# Altium PCB SmartPower.PcbDoc (part 2 of 2)
Units mm, origin at the board's own origin, x right, y up, seen from the top; angles counter-clockwise.
Board outline 100 x 62.5 mm, 4 copper layers (Top Layer, Layer 1, Layer 2, Bottom Layer), stack 1.531 mm thick; 116 components, 111 nets, 508 pads, 404 vias.
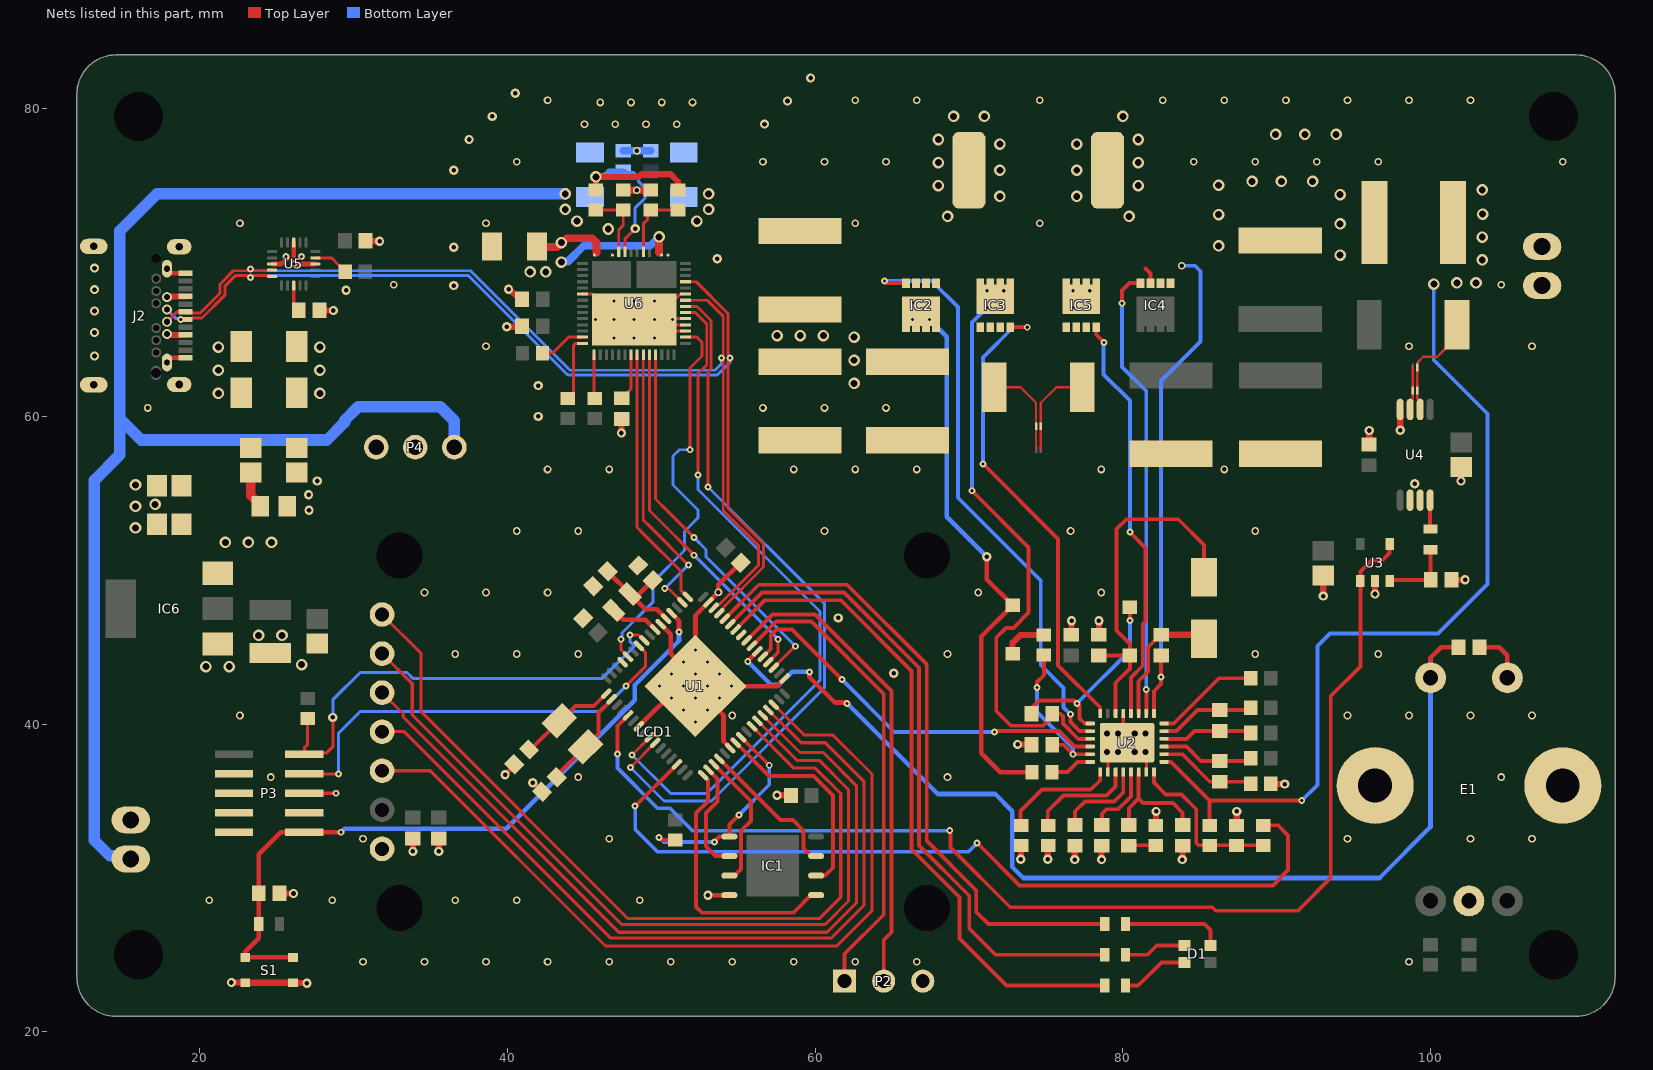
[diagram p4: the nets of this part, all layers, seen from the top]

## Via types
v1: diameter 0.5, hole 0.3, Top Layer to Bottom Layer, tented both sides, 99 vias
v2: diameter 0.75, hole 0.45, Top Layer to Bottom Layer, tented both sides, 90 vias
v3: diameter 0.6, hole 0.3, Top Layer to Bottom Layer, tented both sides, 81 vias
v4: diameter 0.45, hole 0.2, Top Layer to Bottom Layer, tented both sides, 79 vias
v5: diameter 0.5, hole 0.2, Top Layer to Bottom Layer, tented both sides, 55 vias

## Nets (pads, with @x,y where several pads share a name; then routed paths per layer and width w, separated by ;. In a path a pad name is that pad's centre, name@x,y a point inside that pad or via, vN(x,y) a via of type N, cw(c..) or ccw(c..) an arc to the next point about the centre after c; other vN are vias at no path point) (continued)
ENC_SW: C64.1 E1.S1 U1.38 | length 68.7
  Top Layer w0.3: v4(55.612,44.063) 55.612,44.096 U1.38@56.245,44.729 ; v4(59.625,43.39) 59.625,43.047 61.276,41.396 62.013,41.396 v4(62.063,41.345) ; E1.S1@100,43 100,44.306 100.694,45 C64.1@101.825,45
  Bottom Layer w0.3: v4(55.612,44.063) 57.136,42.539 57.646,42.539 58.496,43.39 v4(59.625,43.39) ; v4(62.063,41.345) 67.956,35.453 71.69,35.453 72.808,34.335 72.808,30.703 73.519,29.992 96.684,29.992 100,33.308 E1.S1@100,43
FB: R17.1 R18.2 R19.1 U2.8 | length 10.8
  Top Layer w0.25: U2.8@82.026,36.885 82.026,36.191 82.79,35.427 83.806,35.427 84.771,34.462 84.771,32.262 84.917,32.116 R17.1@85.637,32.116 R18.2@87.387,32.116 R19.1@89.137,32.116
FB_DAC_OUT: R19.2 U1.14 | length 54.3
  Top Layer w0.25: v4(48.297,34.66) U1.14@51.012,37.375 ; v4(70.522,32.252) 70.547,32.252 73.29,29.509 89.749,29.509 90.74,30.5 90.74,32.76 90.084,33.416 R19.2@89.137,33.416
  Bottom Layer w0.25: v4(48.297,34.66) 48.297,33.141 49.744,31.693 69.963,31.693 v4(70.522,32.252)
GND: C1.1 C2.1 C3.1 C4.1 C5.1 C6.2 C7.1 C8.2 C9.1 C11.1 C12.1 C13.1 C14.1 C15.1 C17.2 C18.1 C21.1 C22.1 C23.1 C24.1 C27.1 C28.1 C29.1 C30.1 C31.1 C34.1 C35.1 C36.1 C38.1 C41.1 C42.1 C43.1 C44.1 C45.1 C46.1 C47.1 C55.1 C57.2 C58.1 C59.1 C62.2 C63.1 C64.2 E1.C E1.M E1.S2 IC1.4 IC6.1 J1.2 J2.A1 J2.A12 J2.B1 J2.B12 J2.S J3.2 LCD1.1 NetTie2.1 P2.3 P3.3 P3.5 P3.6 P3.7 P3.8 P3.9 R7.1 R8.1 R9.1 R15.2 R16.1 R18.1 R23.1 R26.1 R28.1 S1.3 S1.4 U1.7 U1.22 U1.33 U1.47 U1.54 U1.65 U2.2 U2.7 U2.19 U2.29 U3.2 U4.4 U4.6 U4.7 U5.8 U5.13 U5.18 U5.21 U6.20 U6.45 U6.46 U6.47 U6.51 U6.59 | length 100.9
  Top Layer w0.15: R16.1@71.65,61.894 73.342,61.894 74.357,60.879 NetTie2.1@74.357,59.404
  Top Layer w0.2: P3.6@26.786,35.5 v4(28.845,35.5) v4@28.95,35.605 ; U6.20@44.874,67.951 45.524,67.951 47.174,66.301 v5(48.224,66.301) ; U6.45@51.574,65.551 48.974,65.551 U6.59@48.574,65.951 ; U6.46@51.574,65.951 U6.59@48.574,65.951 ; U6.47@51.574,66.351 U6.59@49.629,66.351 ; U6.51@51.574,67.951 51.229,67.951 U6.59@49.629,66.351 ; U2.2@79.026,36.885 79.026,37.612 80.199,38.785 U2.29@80.276,38.785 ; U2.19@80.026,40.685 80.026,39.035 U2.29@80.276,38.785 ; U2.7@81.526,36.885 81.526,37.612 80.353,38.785 U2.29@80.276,38.785 ; v5(48.224,66.301) v5(49.544,66.301) 49.579,66.301 U6.59@49.629,66.351 ; v5(48.224,66.301) U6.59@48.574,65.951
  Top Layer w0.3: J2.B1@17.86,63.5 17.86,63.638 18.022,63.8 J2.A12@19.05,63.8 ; J2.B12@17.86,69.6 17.86,69.462 18.022,69.3 J2.A1@19.05,69.3 ; U5.18@24.697,69.906 25.297,69.906 U5.21@25.697,70.306 ; v4(26.097,69.895) 26.108,69.906 U5.8@27.497,69.906 ; 26.097,70.403 U5.13@26.097,71.306 ; v3(39.838,36.697) 40.437,37.296 C1.1@40.437,37.389 ; v3(41.638,36.187) C2.1@42.237,35.589 ; U1.7@48.537,39.85 51.153,42.466 U1.65@52.214,42.466 ; U1.54@49.951,46.497 50.608,45.84 50.608,44.571 U1.65@52.214,42.965 ; v3(53.021,28.874) 54.417,28.874 IC1.4@54.42,28.877 ; 53.377,48.229 53.691,48.544 v1@53.691,48.559 ; 53.379,48.227 U1.47@53.063,47.911 52.214,47.062 U1.65@52.214,42.965 ; v1(53.707,48.559) 53.707,49.052 C6.2@55.149,50.495 ; U1.22@54.477,38.435 54.037,38.875 54.037,40.578 52.214,42.401 U1.65@52.214,42.466 ; U1.33@58.012,42.961 57.514,42.463 55.328,42.463 55.325,42.466 U1.65@52.214,42.466 ; C64.2@103.175,45 104.459,45 105,44.459 E1.S2@105,43 ; U1.65@52.214,42.466 U1.65@52.214,42.965
  Top Layer w0.4: v3(22.045,23.196) S1.3@22.767,23.196 ; S1.3@22.95,23.175 S1.4@26.05,23.175 ; C5.1@25.358,28.979 v3(26.08,28.979) ; S1.4@26.233,23.154 v3(26.955,23.154) ; C46.1@27.955,66.886 v3(28.677,66.886) ; C45.1@30.955,71.386 v3(31.677,71.386) ; v3(33.844,31.721) C63.1@33.844,32.355 ; v3(35.52,31.721) C62.2@35.52,32.355 ; v3(39.94,65.831) 40.656,65.831 40.732,65.907 C58.1@40.755,65.884 ; v3(40.067,68.269) 40.12,68.269 C59.1@40.755,67.634 ; v3(47.398,58.92) C57.2@47.398,59.642 ; v3(57.511,35.372) C8.2@58.234,35.372 ; v3(73.158,38.674) C17.2@73.88,38.674 ; v3(73.366,31.211) 73.366,31.933 73.468,32.035 R8.1@73.387,32.116 ; v3(75.116,31.211) R9.1@75.116,31.933 ; C23.1@76.664,45.988 v3(76.664,46.71) ; v3(76.866,31.186) C18.1@76.866,31.908 ; C21.1@78.442,45.988 v3(78.442,46.71) ; v3(78.616,31.186) C9.1@78.616,31.908 ; R7.1@82.158,33.599 v3(82.158,34.321) ; v3(83.866,31.186) C13.1@83.866,31.908 ; R18.1@87.408,33.599 v3(87.408,34.321) ; R15.2@89.795,36.092 v3(90.517,36.092) ; v3(93.031,48.314) C30.1@93.031,49.456 ; C36.1@96.021,58.358 v3(96.021,59.08) ; v3(96.389,48.453) U3.2@96.389,49.087 ; U4.4@98.004,60.267 98.03,60.242 v3(98.03,59.1) ; C34.1@101.569,49.377 101.574,49.372 v3(102.246,49.372) ; v3(101.979,55.795) C38.1@101.979,56.517
  Top Layer w0.5: R26.1@47.52,74.704 R28.1@49.298,74.704
  Bottom Layer w0.5: C15.1@47.52,77.269 C31.1@49.298,77.269
  other v1: 30.6,24.55 34.6,24.55 38.6,24.55 42.6,24.55 46.6,24.55 50.6,24.55 54.6,24.55 58.6,24.55 62.6,24.55 66.6,24.55 98.6,24.55 20.6,28.55 28.6,28.55 36.6,28.55 40.6,28.55 48.6,28.55 30.6,32.55 46.6,32.55 94.6,32.55 102.6,32.55 106.6,32.55 24.6,36.55 44.6,36.55 68.6,36.55 104.6,36.55 22.6,40.55 54.6,40.55 94.6,40.55 98.6,40.55 102.6,40.55 106.6,40.55 36.6,44.55 40.6,44.55 44.6,44.55 68.6,44.55 88.6,44.55 96.6,44.55 34.6,48.55 38.6,48.55 42.6,48.55 70.6,48.55 78.6,48.55 40.6,52.55 44.6,52.55 60.6,52.55 76.6,52.55 88.6,52.55 42.6,56.55 46.6,56.55 58.6,56.55 62.6,56.55 66.6,56.55 78.6,56.55 86.6,56.55 16.6,60.55 56.6,60.55 60.6,60.55 64.6,60.55 38.6,64.55 98.6,64.55 106.6,64.55 32.6,68.55 104.6,68.55 22.6,72.55 38.6,72.55 62.6,72.55 74.6,72.55 48.4,74.7 40.6,76.55 56.6,76.55 60.6,76.55 64.6,76.55 84.6,76.55 88.6,76.55 92.6,76.55 96.6,76.55 108.6,76.55 48.409,77.269 45,79 47,79 49,79 51,79 46.024,80.411 48.024,80.411 50.024,80.411 52.024,80.411 42.6,80.55 62.6,80.55 66.6,80.55 74.6,80.55 82.6,80.55 86.6,80.55 90.6,80.55 94.6,80.55 98.6,80.55 102.6,80.55
  other v2: 20.382,43.733 21.906,43.733 26.605,43.86 23.811,45.765 25.335,45.765 15.81,52.75 15.81,54.147 17.08,54.274 15.81,55.544 94.118,70.479 86.219,71.089 94.118,72.511 86.219,73.121 94.118,74.416 86.219,75.026 88.403,75.28 90.308,75.28 92.34,75.28 89.927,78.328 91.832,78.328 93.864,78.328
  other v3: 65.1,43.3 61.5,46.9 27.088,53.893 27.062,54.909 98.97,55.62 27.621,55.798 42,60 42,62 13.143,63.926 13.143,65.45 13.143,66.847 29.501,68.193 13.143,68.244 36.5,68.5 13.143,69.641 53.631,70.251 36.5,71 36.5,76 37.5,78 56.7,79 39,79.5 58.2,80.5 40.5,81 59.7,82
  other v4: 25.589,70.403 26.605,70.403
  other v5: 52.214,40.133 51.436,40.91 52.992,40.91 50.658,41.688 52.214,41.688 53.77,41.688 49.881,42.466 51.436,42.466 52.992,42.466 54.547,42.466 50.658,43.244 52.214,43.244 53.77,43.244 51.436,44.022 52.992,44.022 52.214,44.799 46.904,65.101 48.224,65.101 49.544,65.101 45.724,66.301 46.904,66.301 50.724,66.301 46.904,67.501 48.224,67.501 49.544,67.501
HIGH_1: IC2.4 U2.24 | length 38.5
  Top Layer w0.25: v4(64.502,68.803) 64.556,68.803 64.696,68.663 IC2.4@65.905,68.663 ; v4(76.592,40.634) 76.592,40.126 77.183,39.535 U2.24@77.876,39.535
  Bottom Layer w0.25: v4(64.502,68.803) 67.575,68.803 69.277,67.101 69.277,54.706 74.662,49.321 74.662,43.835 76.148,42.349 76.148,41.079 v4(76.592,40.634)
HIGH_2: IC4.4 U2.16 | length 29.6
  Top Layer w0.25: v4(79.945,67.355) 79.945,68.181 80.427,68.663 IC4.4@81.145,68.663 ; v4(81.52,42.234) 81.52,42.057 81.526,42.05 U2.16@81.526,40.685
  Bottom Layer w0.25: v4(79.945,67.355) 79.945,63.215 81.52,61.64 v4(81.52,42.234)
I2C_IRQ: R29.2 U6.29 | length 2.9
  Top Layer w0.2: U6.29@45.624,64.001 45.624,61.195 R29.2@45.669,61.15
I2C_SCL: R30.2 U6.27 | length 3
  Top Layer w0.2: R30.2@42.263,64.113 42.921,64.113 43.959,65.151 U6.27@44.874,65.151
I2C_SDA: R31.2 U6.28 | length 4.3
  Top Layer w0.2: R31.2@43.919,61.15 43.969,61.15 44.294,61.475 44.294,64.621 44.424,64.751 U6.28@44.874,64.751
INA_OUT: R21.2 U4.8 | length 1.9
  Top Layer w0.25: U4.8@99.975,54.55 99.975,52.7 R21.2@100,52.675
ISNS_N: C19.1 R15.1 U2.10 | length 6.4
  Top Layer w0.25: U2.10@82.676,38.035 83.865,38.035 85.649,36.251 C19.1@86.295,36.251 88.174,36.251 R15.1@88.312,36.113
ISNS_P: C19.2 R14.1 U2.11 | length 6.1
  Top Layer w0.25: U2.11@82.676,38.535 84.127,38.535 85.061,37.601 C19.2@86.295,37.601 88.149,37.601 R14.1@88.312,37.764
LCD_BLK: LCD1.7 U1.26 | length 55.1
  Top Layer w0.2: LCD1.7@31.839,47.12 34.38,44.58 34.38,40.802 47.831,27.35 60.26,27.35 61.657,28.747 61.657,35.478 60.006,37.129 58.612,37.129 U1.26@55.891,39.85
LCD_DC: LCD1.6 U1.27 | length 54.5
  Top Layer w0.2: LCD1.6@31.839,44.58 33.8,42.619 33.8,40.581 47.412,26.969 60.641,26.969 62.165,28.493 62.165,35.732 60.26,37.637 58.811,37.637 U1.27@56.245,40.203
LCD_RST: LCD1.5 U1.28 | length 53.8
  Top Layer w0.2: LCD1.5@31.839,42.04 33.2,40.679 33.2,40.481 47.22,26.461 60.768,26.461 62.673,28.366 62.673,35.986 60.514,38.145 59.01,38.145 U1.28@56.598,40.557
LCD_SPICLK: LCD1.3 U1.30 | length 54.7
  Top Layer w0.2: LCD1.3@31.839,36.96 34.978,36.96 46.366,25.572 61.403,25.572 63.689,27.858 63.689,36.748 61.149,39.288 59.281,39.288 U1.30@57.305,41.264
LCD_SPIMOSI: LCD1.4 U1.29 | length 54
  Top Layer w0.2: LCD1.4@31.839,39.5 33.281,39.5 46.701,26.08 61.022,26.08 63.181,28.239 63.181,36.24 60.641,38.78 59.082,38.78 U1.29@56.952,40.91
LDO_+3V3: C15.2 R25.2 R27.1 U6.9 | length 15.6
  Top Layer w0.2: U6.9@47.624,70.701 47.624,71.534 v3(48.297,72.206)
  Top Layer w0.4: R25.2@45.782,74.744 R25.2@45.742,74.704 v2(45.742,75.57) 48.536,75.57 48.703,75.737 50.608,75.737 51.076,75.269 R27.1@51.076,74.704
  Bottom Layer w0.2: C15.2@47.611,75.991 47.738,75.864 48.17,75.864 48.5,75.534 48.5,75.28 48.932,74.848 48.932,74.188 48.297,73.553 v3(48.297,72.206)
  Bottom Layer w0.4: v2@45.782,75.61 46.29,75.61 46.599,75.919 C15.2@47.52,75.919
LOW_1: IC3.4 U2.22 | length 31.2
  Top Layer w0.25: v4(70.903,56.916) 75.779,52.039 75.779,43.809 78.526,41.063 U2.22@78.526,40.685 ; IC3.4@72.681,65.793 v4(73.782,65.793) v4@73.846,65.856
  Bottom Layer w0.25: v4(70.903,56.916) 70.903,63.824 72.871,65.793 v4(73.782,65.793)
LOW_2: IC5.4 U2.18 | length 26.8
  Top Layer w0.25: IC5.4@78.269,65.793 78.269,65.323 v4(78.777,64.815) ; v4(80.453,52.471) 81.469,51.455 81.469,46.679 81.291,46.502 81.291,43.784 80.526,43.019 U2.18@80.526,40.685
  Bottom Layer w0.25: v4(78.777,64.815) 78.751,64.79 78.751,62.732 80.453,61.03 v4(80.453,52.471)
NetC1_2: C1.2 U1.1 Y1.2 | length 6.5
  Top Layer w0.25: C1.2@41.391,38.343 41.494,38.343 Y1.2@43.365,40.215 43.614,40.463 43.614,40.466 43.714,40.466 44.414,41.166 45.597,41.166 46.402,41.971 U1.1@46.416,41.971
NetC2_2: C2.2 U1.2 Y1.1 | length 6.6
  Top Layer w0.25: C2.2@43.191,36.543 43.191,36.646 Y1.1@45.063,38.517 45.914,39.369 45.914,40.749 46.769,41.604 U1.2@46.769,41.617
NetC3_2: C3.2 C4.2 L1.1 U1.53 | length 6.9
  Top Layer w0.3: C3.2@46.513,49.925 46.513,49.904 L1.1@47.963,48.454 L1.1@48.073,48.344 ; C4.2@49.434,49.352 48.427,48.344 L1.1@48.073,48.344 ; U1.53@50.305,46.85 49.694,47.46 48.957,47.46 L1.1@48.073,48.344
NetC9_2: C9.2 U2.5 | length 4.7
  Top Layer w0.25: C9.2@78.637,33.441 78.637,34.17 78.929,34.462 79.691,34.462 80.526,35.297 U2.5@80.526,36.885
NetC10_1: C10.1 R7.2 | length 1.8
  Top Layer w0.25: C10.1@80.387,32.091 80.412,32.116 R7.2@82.137,32.116
NetC10_2: C10.2 C13.2 U2.6 | length 7.7
  Top Layer w0.25: C10.2@80.387,33.441 80.387,34.523 81.026,35.162 ; U2.6@81.026,36.885 81.026,35.162 ; C13.2@83.887,33.441 83.887,34.228 83.247,34.868 81.32,34.868 81.026,35.162
NetC18_2: C18.2 U2.4 | length 5.9
  Top Layer w0.25: C18.2@76.887,33.441 76.887,34.325 77.532,34.97 79.437,34.97 80.026,35.559 U2.4@80.026,36.885
NetC20_1: C20.1 R13.2 U2.12 | length 5.9
  Top Layer w0.25: U2.12@82.676,39.035 84.137,39.035 84.655,39.553 C20.1@86.295,39.553 88.174,39.553 R13.2@88.312,39.415
NetC20_2: C20.2 R12.2 U2.13 | length 6.3
  Top Layer w0.25: U2.13@82.676,39.535 83.494,39.535 84.862,40.903 C20.2@86.295,40.903 88.149,40.903 R12.2@88.312,41.066
NetC25_2: C25.2 D3.2 U2.23 | length 13.3
  Top Layer w0.25: C25.2@74.063,40.502 74.103,40.542 74.103,41.066 74.56,41.523 76.821,41.523 v4(77.005,41.339) 77.189,41.155 77.189,40.368 77.522,40.035 U2.23@77.876,40.035 ; v4(80.453,46.73) D3.2@80.453,47.594
  Bottom Layer w0.25: v4(77.005,41.339) 80.453,44.787 v4(80.453,46.73)
NetC26_2: C26.2 D4.2 U2.17 | length 8.7
  Top Layer w0.25: U2.17@81.026,40.685 81.026,42.782 81.647,43.403 81.647,45.017 82.435,45.805 C26.2@82.485,45.805
  Top Layer w0.4: C26.2@82.485,45.805 85.017,45.805 D4.2@85.279,45.543
NetC34_2: C34.2 R21.1 U3.3 | length 4.7
  Top Layer w0.25: U3.3@97.339,49.3 97.411,49.372 C34.2@100.011,49.372 100,49.383 R21.1@100,51.325
NetC41_2: C41.2 C42.2 IC6.3 P4.2
  other v2: 21.651,51.81 23.151,51.81 24.651,51.81
NetC46_2: C46.2 U5.3 | length 1.7
  Top Layer w0.2: U5.3@26.097,68.506 26.097,67.231 C46.2@26.422,66.906
NetC48_2: C48.2 R23.2 | length 2.5
  Top Layer w0.6: C48.2@23.3,56.35 23.3,54.846 23.446,54.7 23.475,54.7 23.925,54.25 R23.2@23.925,54.15
NetC57_1: C57.1 U6.35 | length 3.1
  Top Layer w0.2: C57.1@47.419,61.175 47.469,61.175 47.819,61.525 47.819,61.575 48.024,61.78 U6.35@48.024,64.001
NetD1_1: D1.1 R3.1 | length 4.1
  Top Layer w0.25: R3.1@80.175,25 81.6,25 82.2,25.6 D1.1@84,25.6
NetD1_2: D1.2 R5.1 | length 6.7
  Top Layer w0.25: R5.1@80.175,27 85.3,27 85.7,26.6 D1.2@85.7,25.6
NetD1_4: D1.4 R4.1 | length 4.4
  Top Layer w0.25: R4.1@80.175,23 81,23 82.5,24.5 D1.4@84,24.5
NetD2_2: D2.2 R10.2 | length 2.9
  Top Layer w0.4: D2.2@72.833,44.571 72.833,45.282 73.331,45.78 R10.2@74.865,45.78
NetFB1_2: FB1.2 FB2.2 J2.A4 J2.A9 J2.B4 J2.B9 | length 2.4
  Top Layer w0.3: J2.B4@17.86,65.35 J2.B4@17.91,65.3 ; J2.B9@17.86,67.75 J2.B9@17.91,67.8
  Top Layer w0.4: J2.B4@17.91,65.3 J2.A9@19.05,65.3 ; J2.B9@17.91,67.8 J2.A4@19.05,67.8
  other v2: 21.2,61.5 21.2,63 21.2,64.5
NetIC3_1: IC3.1 IC3.2 IC3.3 IC5.1 IC5.2 IC5.3 NetTie1.1 R16.2 | length 4.6
  Top Layer w0.15: NetTie1.1@74.662,59.404 74.662,60.88 75.676,61.894 R16.2@77.35,61.894
NetL1_2: L1.2 U1.55 | length 3.2
  Top Layer w0.3: L1.2@46.903,47.394 47.516,46.781 48.96,46.781 U1.55@49.598,46.143
NetR8_2: R8.2 U2.1 | length 7.6
  Top Layer w0.25: R8.2@73.341,33.319 73.341,34.335 74.738,35.732 77.913,35.732 78.526,36.345 U2.1@78.526,36.885
NetR9_2: R9.2 U2.3 | length 6.9
  Top Layer w0.25: R9.2@75.119,33.446 75.119,34.335 76.135,35.351 78.929,35.351 79.526,35.948 U2.3@79.526,36.885
NetR11_2: R11.2 U2.28 | length 2.8
  Top Layer w0.25: R11.2@75.388,36.875 76.389,36.875 77.049,37.535 U2.28@77.876,37.535
NetR25_1: R25.1 R26.2 U6.10 | length 4.6
  Top Layer w0.19: R25.1@45.742,73.404 R26.2@47.52,73.404 47.52,72.42 47.224,72.124 U6.10@47.224,70.701
NetR27_2: R27.2 R28.2 U6.6 | length 4.7
  Top Layer w0.19: U6.6@48.824,70.701 48.824,72.524 49.105,72.805 49.105,73.211 R28.2@49.298,73.404 R27.2@51.076,73.404
OUT_CURR: U1.5 U3.1 U3.4 | length 79.1
  Top Layer w0.25: v4(47.154,38.043) 47.154,39.88 U1.5@47.83,40.557 ; v4(68.744,33.065) 68.782,33.027 68.782,32.885 68.794,32.873 68.794,31.973 72.681,28.087 85.812,28.087 86.041,27.858 91.375,27.858 93.509,29.992 93.509,41.803 95.439,43.733 U3.1@95.439,49.3 95.439,49.905 96.199,50.665 96.222,50.642 96.861,50.642 97.339,51.119 U3.4@97.339,51.7
  Bottom Layer w0.25: v4(47.154,38.043) 47.154,37.129 49.757,34.526 50.57,34.526 52.03,33.065 v4(68.744,33.065)
PA20: U1.41
PA21: R4.2 U1.42 | length 43.5
  Top Layer w0.25: U1.42@54.83,46.143 56.738,48.051 61.657,48.051 66.254,43.454 66.254,31.858 69.379,28.734 69.379,26.055 72.433,23 R4.2@78.825,23
PA22: R3.2 U1.43 | length 43
  Top Layer w0.25: U1.43@54.477,46.497 56.531,48.551 61.864,48.551 66.754,43.661 66.754,32.095 70.014,28.836 70.014,26.715 71.729,25 R3.2@78.825,25
PA23: R5.2 U1.44 | length 42.3
  Top Layer w0.25: U1.44@54.123,46.85 56.324,49.051 62.071,49.051 67.254,43.868 67.254,32.395 70.471,29.179 70.471,27.782 71.253,27 R5.2@78.825,27
PB0: U1.61
PD_RESET: U1.60 U6.44 | length 25.8
  Top Layer w0.19: v4(47.382,45.511) 47.382,44.823 U1.60@47.83,44.375 ; U6.44@51.574,65.151 52.304,65.151 52.64,64.815 52.64,63.926 51.853,63.139 v4(51.853,57.83)
  Bottom Layer w0.19: v4(47.382,45.511) 47.433,45.562 47.433,45.917 49.465,47.949 49.465,49.245 51.497,51.277 51.497,52.521 52.386,53.41 52.386,53.918 50.76,55.544 50.76,57.424 51.167,57.83 v4(51.853,57.83)
PGOOD: R20.2 U2.14 | length 6.9
  Top Layer w0.25: U2.14@82.676,40.035 83.308,40.035 86.244,42.971 R20.2@88.312,42.971
PM_EN: U1.37 U2.26 | length 25.7
  Top Layer w0.25: U1.37@56.598,44.375 57.11,44.888 57.11,45.765 57.491,46.146 58.482,46.146 v4(61.733,42.895) ; v4(71.665,39.491) 71.715,39.542 75.856,39.542 76.863,38.535 U2.26@77.876,38.535
  Bottom Layer w0.25: v4(61.733,42.895) 65.137,39.491 v4(71.665,39.491)
PP_EXT1: U1.9 U6.48 | length 46.4
  Top Layer w0.19: v4@48.092,37.865 v4(48.092,37.991) U1.9@49.244,39.143 ; U6.48@51.574,66.751 52.203,66.751 52.945,66.009 52.945,63.342 52.386,62.783 v4(52.386,56.179)
  Bottom Layer w0.19: v4(48.092,37.991) 50.605,35.478 52.945,35.478 60.312,42.845 60.312,47.313 52.386,55.239 v4(52.386,56.179)
PP_EXT2: U1.10 U6.49 | length 48.1
  Top Layer w0.19: v4@47.991,37.077 v4(47.991,37.182) U1.10@49.598,38.789 ; U6.49@51.574,67.151 52.311,67.151 53.224,66.237 53.224,63.113 53.021,62.91 v4(53.021,55.417)
  Bottom Layer w0.19: v4(47.991,37.182) 50.178,34.995 53.25,34.995 60.591,42.337 60.591,47.847 v4(53.021,55.417)
PP_HV_SINK: C11.2 C12.2 C14.2 C28.2 C29.2 D2.1 IC2.5 IC2.6 IC2.7 IC2.8 J3.1 P4.1 R11.1 U6.1-2 U6.11-12 | length 133.6
  Top Layer w0.3: v3(71.157,50.87) 71.157,49.397 D2.1@72.833,47.721 72.808,47.721 72.508,47.421 72.508,47.396 70.801,45.689 70.801,38.094 72.02,36.875 R11.1@74.088,36.875
  Bottom Layer w0.3: v5(67.43,66.288) 68.54,65.178 68.54,53.487 v3(71.157,50.87)
  Bottom Layer w0.75: J3.1@15.5,31.23 15.309,31.421 14.152,31.421 13.143,32.43 13.143,55.849 14.794,57.5 14.794,59.862 ; P4.1@36.54,58 36.54,59.706 35.622,60.624 30.288,60.624 29.399,59.735 29.399,59.608 28.256,58.465 16.191,58.465 14.794,59.862 ; v2(43.75,74.467) 17.207,74.467 14.794,72.054 14.794,59.862
  other v2: 62.525,62.15 62.525,63.65 62.525,65.15 57.525,65.25 59.025,65.25 60.525,65.25 46.544,72.181 44.512,72.689 52.306,72.689 43.75,73.451 53.068,73.451 53.068,74.467
  other v5: 66.33,66.288 66.33,67.388 67.43,67.388
QSPI_CS: IC1.1 R6.1 U1.24 | length 14.3
  Top Layer w0.25: v4(49.846,32.633) 49.9,32.633 50.068,32.466 R6.1@50.887,32.466 ; v4(53.453,32.328) 53.453,32.354 53.786,32.687 IC1.1@54.42,32.687 54.42,33.462 v4(55.04,34.082) ; U1.24@55.184,39.143 v4(57.009,37.318)
  Bottom Layer w0.25: v4(49.846,32.633) 50.151,32.328 v4(53.453,32.328) ; v4(55.04,34.082) 57.009,36.051 v4(57.009,37.318)
QSPI_DATA0: IC1.5 U1.17 | length 17.4
  Top Layer w0.25: U1.17@52.709,36.668 53.021,36.356 53.021,34.97 52.259,34.208 52.259,28.112 52.64,27.731 58.589,27.731 59.735,28.877 IC1.5@60.06,28.877
QSPI_DATA1: IC1.2 U1.18 | length 7.3
  Top Layer w0.25: U1.18@53.063,37.021 53.656,36.428 53.656,34.97 52.894,34.208 52.894,32.049 53.526,31.417 IC1.2@54.42,31.417
QSPI_DATA2: IC1.3 U1.19 | length 9
  Top Layer w0.25: U1.19@53.416,37.375 55.815,34.976 55.815,33.7 55.18,33.065 55.18,30.582 54.745,30.147 IC1.3@54.42,30.147
QSPI_DATA3: IC1.7 U1.20 | length 9.6
  Top Layer w0.25: U1.20@53.77,37.728 57.735,33.764 58.545,33.764 59.244,33.065 59.244,31.922 59.749,31.417 IC1.7@60.06,31.417
QSPI_SCK: IC1.6 U1.23 | length 13.7
  Top Layer w0.25: U1.23@54.83,38.789 57.004,36.616 59.884,36.616 61.149,35.351 61.149,30.652 60.644,30.147 IC1.6@60.06,30.147
RES_N: NetTie3.1 U4.3 | length 1.3
  Top Layer w0.156: U4.3@98.675,60.45 98.675,60.996 98.843,61.163 NetTie3.1@98.843,61.677
RES_P: NetTie4.1 U4.2 | length 1.3
  Top Layer w0.156: NetTie4.1@99.147,61.677 99.147,61.163 99.325,60.986 U4.2@99.325,60.45
RESET: C5.2 P3.10 R1.1 S1.1 S1.2 U1.52 | length 45.8
  Top Layer w0.3: S1.2@26.05,24.825 S1.1@22.95,24.825 22.95,25.194 23.825,26.069 R1.1@23.825,27 C5.2@23.825,29 23.825,31.53 25.255,32.96 P3.10@26.786,32.96 26.789,32.963 v4(29.17,32.963) ; U1.52@50.658,47.204 51.141,46.721 v4(51.141,45.994)
  Bottom Layer w0.3: v4(29.17,32.963) 29.399,33.192 39.915,33.192 48.271,41.549 48.271,42.539 51.141,45.409 v4(51.141,45.994)
RX_D0: P2.2 U1.40 | length 31.3
  Top Layer w0.25: U1.40@55.537,45.436 55.926,45.825 55.93,45.825 57.23,47.125 59.988,47.125 64.959,42.154 64.959,26.461 64.451,25.953 P2.2@64.451,23.286
SPI_CLK: U1.36 U6.38 | length 23.8
  Top Layer w0.19: U6.38@49.224,64.001 49.219,63.996 49.219,53.885 49.841,53.263 v4(52.132,50.972) ; U1.36@56.952,44.022 57.593,44.663 v4(57.593,45.511)
  Bottom Layer w0.19: v4@52.055,51.049 v4(52.132,50.972) v4(57.593,45.511)
SPI_MISO: U1.49 U6.36 | length 17.1
  Top Layer w0.19: U6.36@48.424,64.001 48.424,52.775 48.825,52.374 51.26,49.939 51.26,48.703 51.698,48.264 U1.49@51.719,48.264
SPI_MOSI: U1.50 U6.37 | length 18.6
  Top Layer w0.19: U6.37@48.824,64.001 48.819,63.996 48.819,53.269 49.333,52.755 v4(51.751,50.337) ; v4(50.218,48.813) 50.463,48.813 U1.50@51.365,47.911
  Bottom Layer w0.19: v4(50.218,48.813) 50.223,48.813 51.742,50.333 51.742,50.337 v4(51.751,50.337)
SPI_SS: U1.35 U6.39 | length 24.7
  Top Layer w0.19: U6.39@49.624,64.001 49.619,63.996 49.619,54.628 50.349,53.898 v4(52.132,52.115) ; U1.35@57.305,43.668 58.691,45.054 v4(58.711,45.054)
  Bottom Layer w0.19: v4(52.132,52.115) 52.894,51.353 52.894,50.87 58.634,45.13 v4@58.711,45.13
SW1: C25.1 IC2.1 IC2.2 IC2.3 IC3.5 IC3.6 IC3.7 IC3.8 L2.1 U2.25 | length 37.2
  Top Layer w0.25: v4(70.191,55.163) 73.874,51.48 73.874,47.238 72.884,46.248 72.401,46.248 71.766,45.613 71.766,40.837 72.718,39.885 74.796,39.885 75.088,40.177 75.088,40.335 C25.1@75.413,40.66 75.963,40.66 76.11,40.513 76.11,40.025 77.099,39.035 U2.25@77.876,39.035
  Bottom Layer w0.25: v4(70.191,55.163) 70.191,66.103 v5(71.156,67.068)
  other v2: 68.6,73 72,74.3 68,75 72,76 68,76.5 72,77.7 68,78 69,79.5 71,79.5
  other v5: 72.256,67.068 71.156,68.168 72.256,68.168
SW2: C26.1 IC4.1 IC4.2 IC4.3 IC5.5 IC5.6 IC5.7 IC5.8 L2.2 U2.15 | length 33.9
  Top Layer w0.25: 81.469,69.616 81.795,69.29 IC4.3@81.795,68.663 ; U2.15@82.026,40.685 82.026,42.131 82.485,42.59 v4(82.485,43.047) C26.1@82.485,44.455
  Bottom Layer w0.25: v4(82.485,43.047) 82.485,62.3 85.05,64.866 85.05,69.438 84.695,69.793 v1(83.831,69.793)
  other v2: 80.4,73 77,74.3 81,75 77,76 81,76.5 77,77.7 81,78 80,79.5
  other v5: 76.744,67.068 77.844,67.068 76.744,68.168 77.844,68.168
SWCLK: P3.2 R2.1 U1.57 | length 30.8
  Top Layer w0.2: R2.1@27,40.35 27,38.667 26.786,38.453 P3.2@26.786,38.04 26.854,38.108 28.219,38.108 28.637,38.526 v3(28.637,40.431) ; v4(47.966,45.79) 48.536,45.79 U1.57@48.891,45.436
  Bottom Layer w0.2: v3(28.637,40.431) 28.637,41.574 30.415,43.352 33.463,43.352 33.844,42.971 46.163,42.971 48.251,45.059 47.966,45.344 v4(47.966,45.79)
SWDIO: P3.4 U1.58 | length 28.2
  Top Layer w0.2: P3.4@26.786,36.77 26.797,36.759 29.007,36.759 v4(29.018,36.748) ; v4(47.687,42.463) 48.957,43.733 48.957,44.662 U1.58@48.537,45.082
  Bottom Layer w0.2: v4(29.018,36.748) 29.018,39.415 30.415,40.812 46.036,40.812 v4(47.687,42.463)
TVS_FAULT: R24.2 U5.9 | length 2.4
  Top Layer w0.2: U5.9@27.497,70.306 28.547,70.306 29.072,69.781 29.122,69.781 29.447,69.456 R24.2@29.447,69.406
TX_D1: P2.1 U1.39 | length 30.9
  Top Layer w0.25: U1.39@55.891,45.082 56.28,45.471 56.283,45.471 57.466,46.654 59.752,46.654 64.451,41.955 64.451,27.604 61.911,25.064 P2.1@61.911,23.286
USB_N: J2.A7 J2.B7 U1.45 U5.20 U6.53 | length 67.8
  Top Layer w0.19: J2.A7@19.038,66.288 19.13,66.38 19.505,66.38 19.516,66.392 20.14,66.392 21.617,67.869 21.617,68.465 22.3,69.148 22.701,69.148 23.119,69.148 23.23,69.037 v4(23.3,69.037) ; v4@23.481,69.148 24.257,69.148 24.431,69.148 24.472,69.106 U5.20@24.697,69.106 ; U6.53@51.574,68.751 52.26,68.751 54.338,66.673 54.338,63.981 54.449,63.869 54.449,63.729 54.338,63.617 54.338,54.017 56.64,51.715 56.64,50.203 53.985,47.549 53.985,47.419 U1.45@53.77,47.204
  Bottom Layer w0.19: J2.B7@17.86,66.95 18.46,66.35 18.7,66.35 v4(18.75,66.3) ; v4@23.481,69.148 37.452,69.148 43.917,62.683 52.131,62.683 53.623,62.683 54.449,63.509 v4(54.449,63.799)
USB_P: J2.A6 J2.B6 U1.46 U5.19 U6.50 | length 65.9
  Top Layer w0.19: J2.B6@17.86,66.15 18.51,66.8 J2.A6@19.05,66.8 19.13,66.72 19.505,66.72 19.516,66.709 20.008,66.709 21.3,68 21.3,68.596 22.169,69.465 22.57,69.465 23.119,69.465 23.23,69.576 v4(23.3,69.576) ; v4@23.481,69.465 24.126,69.465 24.431,69.465 24.472,69.506 U5.19@24.697,69.506 ; U6.50@51.574,67.551 52.981,67.551 54.021,66.511 v4@54.021,63.981 ; U1.46@53.416,47.557 53.632,47.773 53.761,47.773 56.323,50.335 56.323,51.584 54.021,53.886 v4@54.021,63.617
  Bottom Layer w0.19: v4@23.481,69.465 37.584,69.465 44.048,63 52,63 53.492,63 53.91,63.418 v4(53.91,63.799)
VBUS_SINK: C47.2 C48.1 C55.2 FB1.1 FB2.1 P4.3 U6.3-4 U6.13-14 | length 13
  Top Layer w0.5: C55.2@41.898,71.038 41.93,71.006 43.206,71.006 43.494,71.294 43.566,71.294 43.843,71.571 45.512,71.571 45.782,71.301 45.782,70.634 ; 49.846,70.657 v2(49.846,71.673)
  Bottom Layer w0.5: v2(43.496,70.022) 43.544,70.07 43.925,70.07 44.956,71.102 49.274,71.102 v2(49.846,71.673)
  other v2: 27.8,61.5 27.8,63 27.8,64.5 41.464,69.387 42.48,69.387 43.496,71.292
VCC: C21.2 D3.1 D4.1 U2.20 | length 23.5
  Top Layer w0.25: C21.2@78.421,44.455 78.432,44.444 D3.1@80.453,44.444 ; U2.20@79.526,40.685 79.526,42.679 80.453,43.606 D3.1@80.453,44.444 ; D4.1@85.279,49.543 85.279,51.632 83.603,53.309 80.224,53.309 79.589,52.674 79.589,46.07 80.453,45.206 D3.1@80.453,44.444
VIN: C17.1 R10.1 U2.27 | length 10.3
  Top Layer w0.25: v4(74.408,42.387) 74.417,42.396 74.417,42.726 74.865,43.174 R10.1@74.865,44.48 ; C17.1@75.413,38.653 76.135,38.653 v4(76.753,38.035) U2.27@77.876,38.035
  Bottom Layer w0.25: v4(74.408,42.387) 74.408,40.787 76.753,38.441 v4(76.753,38.035)
VOUT: C35.2 J1.1 NetTie4.2 R17.2 R22.2 U2.9 | length 60.1
  Top Layer w0.15: NetTie4.2@99.147,63.177 99.15,63.18 99.15,63.497 99.528,63.875 100.435,63.875 100.609,64.049
  Top Layer w0.156: 100.609,64.049 101.718,65.158 R22.2@101.718,65.958
  Top Layer w0.25: U2.9@82.676,37.535 83.12,37.535 85.637,35.018 ; R17.2@85.637,33.416 85.637,35.018 ; v4(91.629,35.021) 91.627,35.018 85.637,35.018
  Bottom Layer w0.25: v4(91.629,35.021) 92.645,36.037 92.645,45.079 93.458,45.892 100.494,45.892 103.694,49.092 103.694,60.167 100.214,63.647 v2(100.214,68.6)
  other v2: 101.713,68.676 102.957,68.676 103.364,70.174 103.364,71.648 103.389,73.146 103.364,74.721
pads on no net: IC1.9 J2.A2 J2.A3 J2.A10 J2.A11 J2.B2 J2.B3 J2.B10 J2.B11 J2.M LCD1.M U1.25 U1.51 U1.59 U4.1 U5.14 U5.15 U5.16 U5.17 U6.16 U6.17 U6.18 U6.21 U6.22 U6.23 U6.25 U6.30 U6.31 U6.32 U6.33 U6.34 U6.54 U6.55

## Polygon pours and split planes (outlines as drawn)
GND on Top Layer "GND_L01_P015" (solid, remove dead copper, pour order 15): 55.18,78.66 60.02,83.5 109.46,83.5 cw(c109.46,80.96) 112,80.96 112,64.611 110.669,63.672 96.963,63.672 93.661,60.37 93.661,56.052 90.232,52.623 90.232,46.527 93.153,43.606 93.153,29.382 90.74,26.969 73.849,26.969 71.436,29.382 71.563,29.509 71.563,33.065 69.658,34.97 69.658,51.607 66.991,54.274 58.355,54.274 55.18,57.449
no net on Top Layer "NONET_L01_P016" (solid, pour order 16): 75.754,80.004 76.71,80.96 80.589,80.96 82.104,79.445 82.104,72.486 84.187,70.403 84.187,68.269 84.034,68.117 81.774,68.117 81.545,68.346 81.545,69.133 81.164,69.514 79.818,69.514 78.827,68.523 78.827,66.898 78.497,66.568 76.135,66.568 75.754,66.949
GND on Top Layer "GND_L01_P014" (solid, pour order 14): 12.025,74.238 31.533,74.238 33.895,71.876 33.895,67.253 32.853,66.212 21.144,66.212 20.179,65.247 20.179,61.132 18.706,59.659 18.604,59.76 12.025,59.76
GND on Top Layer "GND_L01_P013" (solid, pour order 13): 12.025,74.238 31.533,74.238 33.895,71.876 33.895,67.253 32.853,66.212 21.144,66.212 20.179,65.247 20.179,61.132 18.706,59.659 18.604,59.76 12.025,59.76
GND on Top Layer "GND_L01_P011" (solid, remove dead copper, pour order 11): 94.347,46.4 106.742,46.4 111.365,41.777 111.365,24.175 cw(c108.825,24.175) 108.825,21.635 97.369,21.635 93.693,25.311 93.685,45.711
GND on Top Layer "GND_L01_P008" (solid, remove dead copper, pour order 8): 35.5,77.063 40.169,81.731 52.742,81.731 54.469,80.004 54.469,60.345 52.818,58.694 52.767,58.744 41.718,58.744 35.5,64.962
GND on Top Layer "GND_L01_P009" (solid, remove dead copper, pour order 9): 18.985,38.272 23.303,42.59 28.764,42.59 30.415,44.241 30.415,48.432 30.796,48.813 33.996,48.813 41.718,56.535 41.718,58.744 52.869,58.744 54.189,60.065 54.189,55.925 57.114,53 61.8,53 69,45.8 69,31.945 71.182,29.763 71.182,22.778 69.404,21 22.541,21 18.985,24.556
NetC41_2 on Top Layer "NETC41_2_L01_P007" (solid, pour order 7): 18.045,56.687 18.477,57.119 20.661,57.119 21.22,56.56 21.22,53.512 21.779,52.953 27.392,52.953 27.392,52.979 28.866,54.452 30.364,55.95 31.761,55.95 32.726,56.916 32.726,58.897 33.158,59.329 35.012,59.329 35.419,58.922 35.419,55.95 33.006,53.537 32.037,53.537 27.313,48.813 19.62,48.813 18.045,50.388
SW2 on Bottom Layer "SW2_L04_P006" (solid, pour order 6): 75.405,79.42 77.31,81.325 80.485,81.325 81.755,80.055 81.755,69.895 78.58,66.72 76.04,66.72 75.405,67.355
SW1 on Bottom Layer "SW1_L04_P003" (solid, pour order 3): 73.595,79.42 71.69,81.325 68.515,81.325 67.245,80.055 67.245,69.895 70.42,66.72 72.96,66.72 73.595,67.355
GND on Bottom Layer "GND_L04_P018" (solid, remove dead copper, pour order 18): 94.347,46.4 106.742,46.4 111.365,41.777 111.365,24.175 cw(c108.825,24.175) 108.825,21.635 97.369,21.635 93.693,25.311 93.685,45.711
GND on Bottom Layer "GND_L04_P017" (solid, remove dead copper, pour order 17): 55.18,78.66 60.02,83.5 109.46,83.5 cw(c109.46,80.96) 112,80.96 112,64.611 109.445,62.808 96.099,62.808 93.661,60.37 93.661,56.027 90.232,52.598 90.232,46.527 92.874,43.885 92.874,29.103 90.74,26.969 73.849,26.969 71.436,29.382 71.563,29.509 71.563,33.065 69.658,34.97 69.658,51.607 66.991,54.274 58.355,54.274 55.18,57.449
GND on Bottom Layer "GND_L04_P000" (solid, pour order 0): 35.5,77.063 40.169,81.731 52.742,81.731 54.596,79.877 54.596,60.472 52.818,58.694 52.767,58.744 41.718,58.744 35.5,64.962
GND on Bottom Layer "GND_L04_P010" (solid, pour order 10): 18.985,38.272 23.303,42.59 28.764,42.59 30.415,44.241 30.415,48.432 30.796,48.813 34.022,48.813 41.718,56.509 41.718,58.744 52.869,58.744 54.189,60.065 54.189,56.052 57.241,53 61.8,53 69,45.8 69,31.945 71.182,29.763 71.182,22.778 69.404,21 22.541,21 18.985,24.556
NetC41_2 on Bottom Layer "NETC41_2_L04_P002" (solid, pour order 2): 18.045,56.687 18.477,57.119 20.661,57.119 21.22,56.56 21.22,53.512 21.779,52.953 27.392,52.953 27.392,52.979 28.866,54.452 30.364,55.95 31.761,55.95 32.726,56.916 32.726,58.897 33.158,59.329 35.012,59.329 35.419,58.922 35.419,55.95 33.006,53.537 32.037,53.537 27.313,48.813 19.62,48.813 18.045,50.388
GND on Layer 1 (split plane): 109.659,82.982 109.856,82.953 110.05,82.904 110.238,82.837 110.418,82.752 110.589,82.649 110.749,82.531 110.897,82.397 111.031,82.249 111.149,82.089 111.252,81.918 111.337,81.738 111.404,81.55 111.453,81.356 111.482,81.159 111.491,80.976 111.49,80.96 111.49,23.54 111.491,23.524 111.482,23.341 111.453,23.144 111.404,22.95 111.337,22.762 111.252,22.582 111.149,22.411 111.031,22.251 110.897,22.103 110.749,21.969 110.589,21.851 110.418,21.748 110.238,21.663 110.05,21.596 109.856,21.547 109.659,21.518 109.476,21.509 109.46,21.51 14.54,21.51 14.524,21.509 14.341,21.518 14.144,21.547 13.95,21.596 13.762,21.663 13.582,21.748 13.411,21.851 13.251,21.969 13.103,22.103 12.969,22.251 12.851,22.411 12.748,22.582 12.663,22.762 12.596,22.95 12.547,23.144 12.518,23.341 12.509,23.524 12.51,23.54 12.51,80.96 12.509,80.976 12.518,81.159 12.547,81.356 12.596,81.55 12.663,81.738 12.748,81.918 12.851,82.089 12.969,82.249 13.103,82.397 13.251,82.531 13.411,82.649 13.582,82.752 13.762,82.837 13.95,82.904 14.144,82.953 14.341,82.982 14.524,82.991 14.54,82.99 109.46,82.99 109.476,82.991
NetC41_2 on Layer 2 (split plane): 35.249,59.237 35.249,57.7 35.249,54.763 34.437,53.951 31.1,53.951 31.061,53.946 31.035,53.935 31.024,53.931 30.993,53.907 29.537,52.451 27,52.451 26.961,52.446 26.924,52.431 26.893,52.407 24.393,49.907 23.337,48.851 19.863,48.851 18.207,50.507 18.051,50.663 18.051,54.55 18.051,56.549 31.9,56.549 31.939,56.554 31.961,56.563 31.976,56.569 32.007,56.593 32.607,57.193 32.631,57.224 32.646,57.261 32.651,57.3 32.651,59.437 32.763,59.549 34.937,59.549
+3V3 on Layer 2 (split plane): 109.659,82.982 109.856,82.953 110.05,82.904 110.238,82.837 110.418,82.752 110.589,82.649 110.749,82.531 110.897,82.397 111.031,82.249 111.149,82.089 111.252,81.918 111.337,81.738 111.404,81.55 111.453,81.356 111.482,81.159 111.491,80.976 111.49,80.96 111.49,23.54 111.491,23.524 111.482,23.341 111.453,23.144 111.404,22.95 111.337,22.762 111.252,22.582 111.149,22.411 111.031,22.251 110.897,22.103 110.749,21.969 110.589,21.851 110.418,21.748 110.238,21.663 110.05,21.596 109.856,21.547 109.659,21.518 109.476,21.509 109.46,21.51 14.54,21.51 14.524,21.509 14.341,21.518 14.144,21.547 13.95,21.596 13.762,21.663 13.582,21.748 13.411,21.851 13.251,21.969 13.103,22.103 12.969,22.251 12.851,22.411 12.748,22.582 12.663,22.762 12.596,22.95 12.547,23.144 12.518,23.341 12.509,23.524 12.51,23.54 12.51,80.96 12.509,80.976 12.518,81.159 12.547,81.356 12.596,81.55 12.663,81.738 12.748,81.918 12.851,82.089 12.969,82.249 13.103,82.397 13.251,82.531 13.411,82.649 13.582,82.752 13.762,82.837 13.95,82.904 14.144,82.953 14.341,82.982 14.524,82.991 14.54,82.99 109.46,82.99 109.476,82.991
NetFB1_2 on Layer 2 (split plane): 21.422,71.322 21.444,71.304 21.474,71.282 21.535,71.256 21.6,71.248 22.228,71.248 23.548,69.928 23.548,65.9 23.548,63.1 23.548,60.204 22.722,59.378 22.696,59.352 17.604,59.352 16.052,60.904 16.052,62.5 16.052,70.996 17.304,72.248 20.496,72.248
VBUS_SINK on Layer 2 (split plane): 44.048,71.416 44.048,70.5 44.055,70.448 44.075,70.399 44.107,70.357 44.556,69.908 44.598,69.876 44.647,69.856 44.699,69.849 51.14,69.849 54.298,66.691 54.298,65.241 54.305,65.189 54.325,65.14 54.357,65.098 54.673,64.783 54.673,63.684 54.133,63.144 52.991,62.001 43.45,62.001 43.411,61.996 43.374,61.981 43.343,61.957 41.537,60.151 36.1,60.151 36.061,60.146 36.039,60.137 36.024,60.131 35.993,60.107 35.4,59.514 35.107,59.807 35.076,59.831 35.039,59.846 35,59.851 32.7,59.851 32.661,59.846 32.624,59.831 32.593,59.807 32.393,59.607 32.369,59.576 32.354,59.539 32.349,59.5 32.349,57.363 31.837,56.851 21.851,56.851 21.851,58.05 21.851,58.848 22.8,58.848 22.865,58.856 22.926,58.882 22.978,58.922 23.078,59.022 23.978,59.922 23.996,59.944 24.018,59.974 24.044,60.035 24.052,60.1 24.052,63.1 24.052,65.9 24.052,69.338 25.474,70.76 28.402,70.76 28.441,70.765 28.478,70.78 28.509,70.804 30.154,72.449 43.016,72.449
PP_HV_SINK on Layer 2 (split plane): 53.548,73.666 53.548,72.25 53.555,72.198 53.575,72.149 53.607,72.107 55.107,70.607 55.149,70.575 55.169,70.567 55.198,70.555 55.25,70.548 67.501,70.548 67.522,70.522 67.574,70.482 67.635,70.456 67.7,70.448 67.759,70.456 69.048,69.166 69.048,66.303 69.048,66.3 69.048,66.297 69.048,62.084 68.416,61.452 58.575,61.452 54.702,65.325 54.702,66.775 54.695,66.827 54.675,66.876 54.661,66.894 54.643,66.918 51.367,70.194 51.325,70.226 51.276,70.246 51.224,70.253 44.783,70.253 44.452,70.584 44.452,71.5 44.445,71.552 44.433,71.581 44.425,71.601 44.393,71.643 43.202,72.834 43.202,74.416 44.084,75.298 51.916,75.298
BUCK_BOOST-OUT on Layer 2 (split plane): 97.748,68.146 97.748,63.854 95.072,61.178 94.146,60.252 80.104,60.252 79.502,60.854 79.502,64.254 80.178,64.93 80.196,64.952 80.218,64.982 80.244,65.043 80.252,65.108 80.252,69.146 81.028,69.922 81.104,69.998 95.896,69.998
SW1 on Layer 2 (split plane): 72.748,79.646 72.748,70.5 72.756,70.435 72.782,70.374 72.822,70.322 73.248,69.896 73.248,68 73.248,66.854 73.072,66.678 72.946,66.552 69.452,66.552 69.452,69.25 69.445,69.302 69.425,69.351 69.393,69.393 67.952,70.833 67.952,74 67.944,74.065 67.918,74.126 67.878,74.178 67.478,74.578 67.252,74.804 67.252,76.6 67.252,79.146 68.604,80.498 71.896,80.498
VOUT on Layer 2 (split plane): 108.953,73.973 108.953,65.716 106.425,63.188 101.496,63.188 100.238,64.446 100.238,68.777 100.233,68.817 100.218,68.853 100.194,68.884 99.299,69.78 99.299,71.698 99.299,75.268 100.15,76.119 106.806,76.119
SW2 on Layer 2 (split plane): 80.922,80.122 81.622,79.422 81.848,79.196 81.848,75.9 81.848,70.502 81,70.502 80.935,70.494 80.874,70.468 80.844,70.446 80.822,70.428 80.672,70.278 79.822,69.428 79.782,69.376 79.756,69.315 79.748,69.25 79.748,66.8 79.748,66.452 76.204,66.452 76.078,66.578 75.452,67.204 75.452,67.4 75.452,69.796 75.978,70.322 76.001,70.351 76.018,70.374 76.026,70.392 76.044,70.435 76.052,70.5 76.052,75.8 76.052,79.096 77.404,80.448 80.596,80.448

## Keep-outs
Keep-Out Layer:
  lines w0.2: 12,23.54 ccw(c14.54,23.54) 14.54,21 105,21 109.46,21 ccw(c109.46,23.54) 112,23.54 112,76.5 112,80.96 ccw(c109.46,80.96) 109.46,83.5 105.5,83.5 14.54,83.5 ccw(c14.54,80.96) 12,80.96 12,79.5 12,23.54

## Other copper
Top Layer:
  region: 461 vertices and 0 holes, not listed, extent 33.353,77.184 35.722,81.803
  pour cut-out: 109.5,27.25 cw(c109.5,28.5) 108.25,28.5 cw(c109.5,28.5) 109.5,29.75 cw(c109.5,28.5) 110.75,28.5 cw(c109.5,28.5)
  region: 109.5,28 cw(c109.5,28.5) 109,28.5 cw(c109.5,28.5) 109.5,29 cw(c109.5,28.5) 110,28.5 cw(c109.5,28.5)
  pour cut-out: 19,23.75 cw(c19,25) 17.75,25 cw(c19,25) 19,26.25 cw(c19,25) 20.25,25 cw(c19,25)
  region: 19,24.5 cw(c19,25) 18.5,25 cw(c19,25) 19,25.5 cw(c19,25) 19.5,25 cw(c19,25)
  pour cut-out: 104.5,78.25 cw(c104.5,79.5) 103.25,79.5 cw(c104.5,79.5) 104.5,80.75 cw(c104.5,79.5) 105.75,79.5 cw(c104.5,79.5)
  region: 104.5,79 cw(c104.5,79.5) 104,79.5 cw(c104.5,79.5) 104.5,80 cw(c104.5,79.5) 105,79.5 cw(c104.5,79.5)
  pour cut-out: 19.5,78.25 cw(c19.5,79.5) 18.25,79.5 cw(c19.5,79.5) 19.5,80.75 cw(c19.5,79.5) 20.75,79.5 cw(c19.5,79.5)
  region: 19.5,79 cw(c19.5,79.5) 19,79.5 cw(c19.5,79.5) 19.5,80 cw(c19.5,79.5) 20,79.5 cw(c19.5,79.5)
  region: 727 vertices and 0 holes, not listed, extent 23.061,81.052 25.835,81.598
  region: 217 vertices and 0 holes, not listed, extent 26.797,79.7 27.725,82.274
  region: 924 vertices and 0 holes, not listed, extent 23.044,79.7 25.835,80.922
  region: 1136 vertices and 0 holes, not listed, extent 28.687,78.911 31.487,81.598
  region net SW2: 75.754,80.004 76.71,80.96 80.589,80.96 82.104,79.445 82.104,72.486 84.187,70.403 84.187,68.269 84.034,68.117 81.774,68.117 81.545,68.346 81.545,69.133 81.164,69.514 79.818,69.514 78.827,68.523 78.827,66.898 78.497,66.568 76.135,66.568 75.754,66.949
  region net GND: 25.589,46.146 25.843,45.892 28.51,45.892 28.764,45.638 28.764,44.749 27.113,43.098 18.731,43.098 17.969,43.86 17.969,45.003 19.112,46.146
  region net +3V3: 16.826,51.099 19.493,48.432 28.256,48.432 28.891,47.797 28.891,46.4 28.51,46.019 26.097,46.019 25.716,46.4 19.747,46.4 18.985,46.4 16.826,44.241 13.27,44.241 12.635,44.876 12.635,50.21 13.524,51.099
  region net NetFB1_2: 23.8,65.588 23.8,60.1 23.2,59.5 21.1,59.5 20.5,60.1 20.5,65.06 21.398,65.958 23.43,65.958
  region net VBUS_SINK: 27,57.3 29.9,57.3 30.5,56.7 31.9,56.7 32.5,57.3 32.5,61.6 28.5,65.6
  region net VBUS_SINK: 25.2,60.1 24.2,59.1 22.4,59.1 22,58.7 22,57.9 22.6,57.3 27,57.3 28.5,58.8 28.5,60.1
  region net VBUS_SINK: 25.2,65.5 25.2,60.1 25.8,59.5 27.9,59.5 28.5,60.1 28.5,65.6 28.1,66 25.7,66
  region net VOUT: 99.173,72.333 99.173,74.746 100.798,76.372 106.742,76.372 109.155,73.959 109.155,70.53 108.393,69.768 104.837,69.768 104.075,69.006 104.075,64.307 103.44,63.672 100.695,63.672 99.173,65.323 99.173,69.895
  region net GND: 17.842,52.242 17.842,56.687 16.953,57.576 14.921,57.576 14.413,57.576 13.016,56.179 13.016,52.369 13.524,51.861 17.461,51.861
  region net PP_HV_SINK: 50.329,71.775 51.268,72.714 51.548,72.714 51.903,73.07 51.903,75.026 52.259,75.381 53.554,75.381 53.935,75 53.935,72.841 51.446,70.352 50.329,70.352
  region net PP_HV_SINK: 44.131,75.61 44.893,74.848 44.893,73.07 45.147,72.816 46.671,72.816 46.976,72.511 46.976,70.403 46.924,70.351 46.324,70.351 46.324,71.563 45.807,72.079 44.004,72.079 42.836,73.248 42.836,75.356 43.09,75.61
  region net GND: 24.929,56.433 25.538,57.043 27.062,57.043 28.053,56.052 28.053,54.02 27.24,53.207 25.132,53.207 24.929,53.41
  region net GND: 98.436,54.249 98.436,55.9 98.716,56.179 99.274,56.179 99.554,55.9 99.554,53.995 99.351,53.791 98.639,53.791 98.436,53.995
  region net PP_HV_SINK: 56.875,70.325 61.7,70.325 64.162,67.863 68.083,67.863 68.769,67.177 68.769,62.605 67.321,61.157 56.475,61.157 55.688,61.945 55.688,69.138
  region net NetIC3_1: 76.541,62.377 76.541,63.443 76.033,63.951 69.963,63.951 69.302,64.612 69.302,65.983 69.455,66.136 72.249,66.136 72.325,66.06 72.325,65.221 72.604,64.942 75.322,64.942 75.5,65.12 75.5,65.856 75.754,66.11 77.837,66.11 77.913,66.034 77.913,64.078 78.65,63.342 78.65,60.675 78.269,60.294 76.567,60.294
  region net SW1: 73.544,80.106 72.757,80.893 68.439,80.893 66.966,79.42 66.966,69.768 66.305,69.108 66.305,68.371 66.432,68.244 68.744,68.244 70.522,66.466 72.884,66.466 73.544,67.126
  region net BUCK_BOOST-OUT: 80.707,67.863 97.344,67.863 97.979,67.228 97.979,64.942 93.788,60.751 80.58,60.751 79.564,61.767 79.564,65.577 80.58,66.593 80.58,67.736
  region net VBUS_SINK: 40.448,72.562 40.448,69.26 41.083,68.625 43.242,68.625 44.131,69.514 44.131,71.546 42.988,72.689 40.575,72.689
Bottom Layer:
  region net GND: 25.589,46.146 25.843,45.892 28.51,45.892 28.764,45.638 28.764,44.749 27.113,43.098 18.731,43.098 17.969,43.86 17.969,45.003 19.112,46.146
  region net +3V3: 16.826,51.099 19.493,48.432 28.256,48.432 28.891,47.797 28.891,46.4 28.51,46.019 26.097,46.019 25.716,46.4 19.747,46.4 18.985,46.4 16.826,44.241 15.454,44.241 14.54,45.155 14.54,50.235 15.404,51.099
  region net VOUT: 99.173,72.333 99.173,74.746 100.798,76.372 106.742,76.372 109.155,73.959 109.155,70.53 108.393,69.768 104.837,69.768 104.075,69.006 104.075,64.307 103.44,63.672 100.695,63.672 99.173,65.323 99.173,69.895
  region net PP_HV_SINK: 50.227,75.102 53.275,75.102 53.783,74.594 53.783,72.181 53.275,71.673 51.751,71.673 49.846,73.578 49.846,74.721
  region net PP_HV_SINK: 47.306,75.102 47.814,74.594 47.814,72.308 47.179,71.673 44.512,71.673 43.115,73.07 43.115,74.594 43.623,75.102 44.385,75.102
  region net GND: 44.1,79.5 44.1,76.6 44.5,76.2 46.3,76.2 46.7,76.6 50.2,76.6 50.5,76.3 52.8,76.3 53.4,76.9 53.4,79.3 52.6,80.1 44.7,80.1
Layer 2 (plane layer: these items are gaps in the copper):
  lines w0.3: 17.9,54.4 17.9,56.7 31.9,56.7 32.5,57.3 32.5,59.5 32.7,59.7 35,59.7 35.4,59.3 ; 17.9,54.55 17.9,50.6 18.1,50.4 19.8,48.7 20.8,48.7 23.4,48.7 24.5,49.8 27,52.3 29.6,52.3 31.1,53.8 34.5,53.8 35.4,54.7 35.4,57.7 35.4,59.3 ; 21.7,56.7 21.7,58.05 21.7,59.1 ; 23.8,65.836 23.8,69.3 25.411,70.911 28.402,70.911 30.091,72.6 43.2,72.6 ; 54.824,64.891 54.824,63.621 54.24,63.037 53.053,61.85 43.45,61.85 41.611,60.011 41.611,60 36.1,60 35.4,59.3 ; 99.147,69.717 99.147,71.698 99.147,75.331 100.087,76.27 106.869,76.27 109.104,74.035 109.104,65.653 106.488,63.037 101.433,63.037 100.087,64.383 100.087,68.777 99.147,69.717
  lines w0.4: 43,72.75 43,74.5 44,75.5 52,75.5 53.75,73.75 53.75,72.25 55.25,70.75 67.75,70.75 69.25,69.25 69.25,62 68.5,61.25 58.491,61.25 54.5,65.241 54.5,66.775 51.224,70.051 44.699,70.051 44.25,70.5 44.25,71.5 43,72.75
  lines w0.5: 67,76 67,79.25 68.5,80.75 72,80.75 73,79.75 73,70.5 73.5,70 73.5,68 73.5,66.75 73.25,66.5 73.05,66.3 72.2,66.3 69.3,66.3 ; 67,76.6 67,74.7 67.3,74.4 ; 67.1,74.6 67.7,74 67.7,70.7 ; 80,66.8 80,66.2 76.8,66.2 76.1,66.2 75.9,66.4 75.2,67.1 75.2,67.4 75.2,69.9 75.8,70.5 75.8,75.8 75.8,79.2 77.3,80.7 80,80.7 80.7,80.7 81.1,80.3 81.8,79.6 82.1,79.3 82.1,75.9 82.1,70.3 ; 15.8,60.8 15.8,62.5 15.8,71.1 17.2,72.5 20.6,72.5 21.6,71.5 22.333,71.5 23.8,70.033 23.8,65.9 23.8,63.1 23.8,60.1 22.9,59.2 22.8,59.1 17.5,59.1 15.8,60.8 ; 79.25,60.75 79.25,64.358 80,65.108 80,69.25 80.85,70.1 81,70.25 96,70.25 98,68.25 98,63.75 95.25,61 94.25,60 84.5,60 80,60 79.25,60.75

## Silkscreen, mask and mechanical layers (free items; w line width, h text height)
Top Overlay:
  drawing of 17 lines, arcs and shapes, not listed
  text "V0.1" at 31.551,75.887 h1.2
  text "Smart Power" at 21.771,75.834 h2.12
  text "VOUT" at 105.58,72.996 h1.7
  text "GND" at 105.58,65.63 h1.7
  text "PP_HV_SINK" at 35.813,59.714 h1.7 r90
  text "VBUS_SINK" at 33.273,59.645 h1.7 r90
  text "1-30VDC / 5A Max." at 108.838,56.687 h2.5 r90
  text "Reset" at 27.656,23.553 h1.7
  text "UART" at 56.298,22.756 h2
Bottom Overlay:
  text "TX" at 61.388,25 h2 r270
  text "RX" at 63.928,25 h2 r270
  text "GND" at 71.8,22.664 h2
  text "W" at 89.669,22.675 h6
  text "e" at 95.333,22.05 h6
Top Solder:
  drawing of 13 lines, arcs and shapes, not listed